# Altium PCB precursor_pvt2b.PcbDoc (part 5 of 7) (continued)
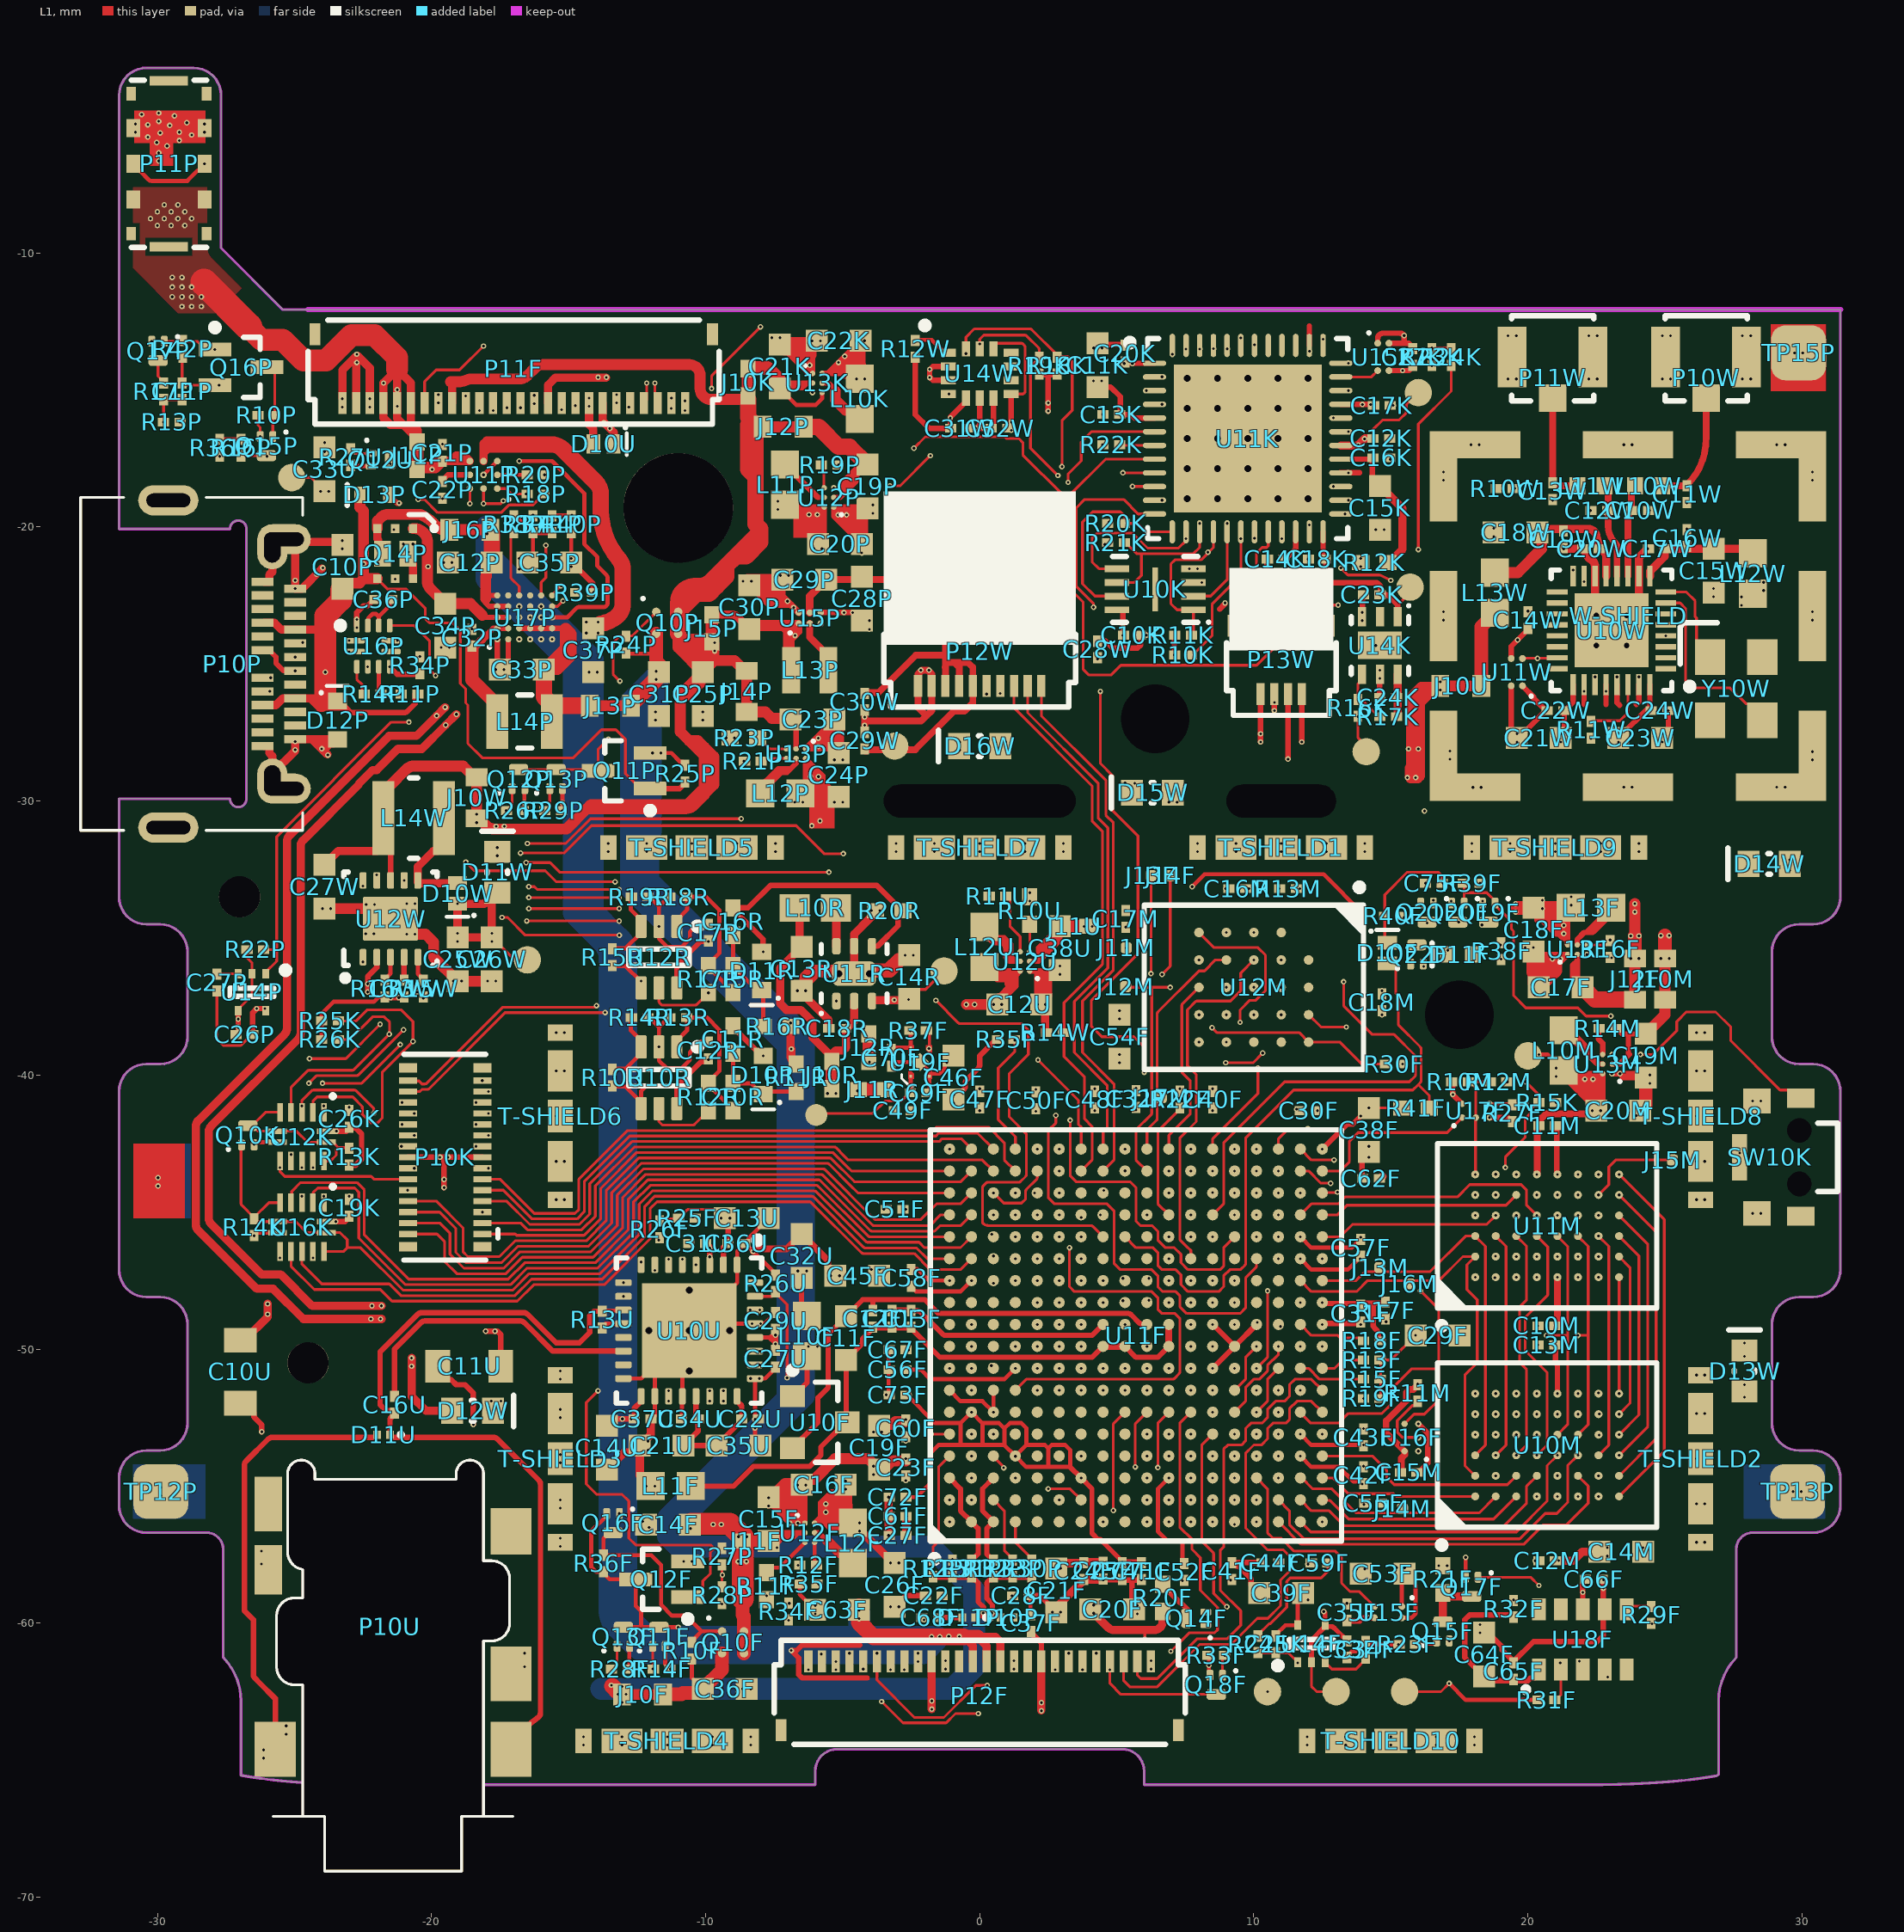
[diagram p0: L1 view]
## Nets (pads, with @x,y where several pads share a name; then routed paths per layer and width w, separated by ;. In a path a pad name is that pad's centre, name@x,y a point inside that pad or via, vN(x,y) a via of type N, cw(c..) or ccw(c..) an arc to the next point about the centre after c; other vN are vias at no path point) (continued)
PROG_B: C25K.1 P12F.21 R24F.1 SW10K.5 U11F.R8 U12M.A4 U14F.1 | length 80.9
  L1 w0.1: P12F.21@-3.75,-61.4 -3.75,-62.075 -2.384,-63.441 -1.309,-63.441 -0.143,-62.275 v1(0.275,-62.275) ; v1(10.1,-50.7) 10.5,-50.3 10.5,-47.9 10.502,-47.898 v1(10.502,-47.877) ; R24F.1@10.15,-61.08 C25K.1@10.8,-61.08 11.255,-61.08 11.475,-61.3 11.525,-61.3 11.6,-61.375 U14F.1@11.6,-61.425 ; U12M.A4@12,-37.8 12.45,-38.25 v1(13.375,-38.25) ; v1(24.107,-39.248) 24.522,-39.248 ccw(c24.522,-39.148) 24.593,-39.219 25.427,-38.385 25.427,-38.048 25.775,-37.7 26.85,-37.7 27.4,-38.25 27.4,-38.75 29.2,-40.55 29.65,-40.55 SW10K.5@29.95,-40.85
  L2 w0.1: v1(-3.75,-61.1) -3.468,-60.818 -3.043,-60.818 -2.5,-60.275 -2.5,-59.693 -2.107,-59.3 -1.616,-59.3 -1.545,-59.371 ccw(c-1.474,-59.3) -1.474,-59.4 -1.174,-59.4 ccw(c-1.174,-59.3) -1.103,-59.371 -1.052,-59.319 cw(c-0.981,-59.39) -1.043,-59.311 -1.014,-59.288 ccw(c-1.077,-59.21) -1.007,-59.282 -0.85,-59.125 -0.1,-59.125 0.675,-58.35 1.525,-58.35 2.503,-57.372 3.32,-57.372 3.9,-56.792 3.9,-56.5 3.9,-56.264 4.132,-56.032 4.132,-55.743 4.721,-55.154 ccw(c4.65,-55.084) 4.75,-55.084 4.75,-53.516 cw(c4.85,-53.516) 4.779,-53.446 5.725,-52.5 7.925,-52.5 8.175,-52.75 8.908,-52.75 9.5,-52.158 9.5,-51.3 v1(10.1,-50.7) ; v1(0.275,-62.275) 1.35,-62.275 1.825,-61.8 1.825,-60.825 2.525,-60.125 7.975,-60.125 8.238,-60.388 10.538,-60.388 v1(11.6,-61.45) ; v1(10.502,-47.877) 10.504,-47.875 12.15,-47.875 13.05,-46.975 13.05,-44.75 12.45,-44.15 12.45,-43.05 11.901,-42.501 11.901,-42.276 11.675,-42.05 11.675,-41.825 12.075,-41.425 12.075,-40.95 13.662,-39.363 13.688,-39.363 ; v1(13.375,-38.25) 13.375,-39.05 13.688,-39.363 ; v1(24.107,-39.248) 23.794,-39.248 23.625,-39.418 23.625,-40.25 23.225,-40.65 23.225,-41.4 22.775,-41.85 21.875,-41.85 21.55,-41.525 19.45,-41.525 18.025,-40.1 14.425,-40.1 13.688,-39.363
PWR_S0: R27F.1 U11F.U6 U16F.C2 U17F.C2 | length 32.6
  L1 w0.1: U11F.U6@11.7,-52.3 11.7,-52.325 12.075,-52.7 13.1,-52.7 13.45,-52.35 14.675,-52.35 15.025,-52 15.025,-51.45 15.75,-50.725 16.75,-50.725 ; U16F.C2@15.5,-52.725 15.85,-52.375 16.225,-52.375 16.75,-51.85 16.75,-50.725 ; v1(16.075,-47.875) 16.75,-48.55 16.75,-50.725 ; U17F.C2@18.6,-41.05 19.38,-41.05 R27F.1@19.425,-41.095 19.47,-41.05 v2(19.925,-41.05)
  L2 w0.1: v1(16.075,-47.875) v2(16.075,-47.275)
  L7 w0.1: v2(16.075,-47.275) 16.6,-46.75 19.884,-46.75 20.234,-47.1 23.3,-47.1 24.625,-45.775 24.625,-42.741 ccw(c24.525,-42.741) 24.595,-42.67 22.647,-40.722 21.947,-40.722 21.725,-40.5 20.475,-40.5 v2(19.925,-41.05)
  other v1: 19.925,-41.05
PWR_S0_REPLICA: R15K.2 U11F.U7 U11K.19 | length 50.6
  L1 w0.1: v1(19.175,-43.375) 19.175,-43 19.9,-42.275 19.9,-41.6 20.1,-41.4 20.1,-41.25 20.35,-41 R15K.2@20.395,-41 20.395,-40.72 v1(19.925,-40.25)
  L2 w0.1: v1(10.024,-20.411) 10.024,-21.964 10.459,-22.4 11.025,-22.4 11.174,-22.549 11.174,-24.149 13.4,-26.375 13.95,-26.375 14.67,-27.095 16.045,-27.095 16.65,-27.7 16.65,-30.175 17.675,-31.2 21.475,-31.2 22.075,-31.8 22.075,-32.673 23.421,-34.019 cw(c23.35,-34.089) 23.45,-34.089 23.45,-35.709 cw(c23.35,-35.709) 23.421,-35.779 21.7,-37.5 21.7,-40.2 21.475,-40.425 20.1,-40.425 v1(19.925,-40.25) ; v1(11.7,-51.5) 12.3,-52.1 14.234,-52.1 ccw(c14.234,-52) 14.305,-52.07 ; 14.305,-52.07 15.221,-51.154 ccw(c15.15,-51.084) 15.25,-51.084 15.25,-46.275 17.625,-43.9 17.625,-43.721 17.971,-43.375 18.225,-43.375 18.85,-44 19.025,-44 19.175,-43.85 v1(19.175,-43.375)
RES_CT: C34F.1 U14F.3 | length 1.8
  L1 w0.1: U14F.3@12.6,-61.425 12.6,-61.475 12.675,-61.55 12.725,-61.55 12.85,-61.675 13.725,-61.675 14.075,-61.325 C34F.1@14.075,-61.28
RTC_3.3V: C64F.1 C65F.1 R32F.1 U18F.1 | length 6.5
  L1 w0.2: C64F.1@18.4,-61.95 17.7,-61.25 17.7,-59.875 17.875,-59.7 19.375,-59.7 19.39,-59.715 19.415,-59.715 19.475,-59.775 R32F.1@19.475,-59.8 ; C64F.1@18.475,-61.875 18.7,-62.1 20,-62.1 20.1,-62 20.25,-62 20.4,-61.85 U18F.1@20.4,-61.7
RTC_INT1: R31F.2 U11F.N5 U18F.2 | length 21
  L1 w0.1: U11F.N5@8.5,-53.1 8.1,-53.5 8.1,-57 8.506,-57.406 cw(c8.435,-57.477) 8.535,-57.477 8.535,-58.922 v1(9.015,-59.402) ; R31F.2@21,-62.8 21.025,-62.8 21.2,-62.625 U18F.2@21.2,-61.7
  L2 w0.1: v1(9.015,-59.402) 9.702,-59.402 10.125,-59.825 11.834,-59.825 cw(c11.834,-59.925) 11.905,-59.855 12.346,-60.296 ccw(c12.416,-60.225) 12.416,-60.325 16.2,-60.325 17.296,-61.421 ccw(c17.366,-61.35) 17.366,-61.45 v1(21.175,-61.45)
RTC_WAKE_N: R29F.1 U18F.6 | length 1
  L1 w0.1: U18F.6@23.6,-59.5 23.725,-59.375 R29F.1@24.5,-59.375
SPINOR_CIPO: J17M.1 U11F.K18 U12M.D2 | length 8.4
  L1 w0.1: U11F.K18@6.1,-42.7 6.1,-42 6.446,-41.654 ccw(c6.375,-41.584) 6.475,-41.584 6.475,-37.766 cw(c6.575,-37.766) 6.504,-37.696 8,-36.2 8.2,-36.2 8.6,-35.8 U12M.D2@9,-35.8
SPINOR_COPI: J12M.1 U11F.K17 U12M.D3 | length 10.8
  L1 w0.1: J12M.1@5.325,-36.8 6.275,-36.8 ; U11F.K17@6.1,-43.5 5.7,-43.1 5.7,-42 6.246,-41.454 ccw(c6.175,-41.384) 6.275,-41.384 6.275,-36.8 ; v1(6.951,-36.803) 6.948,-36.8 6.275,-36.8
  L2 w0.1: v1(6.951,-36.803) 6.952,-36.801 8.999,-36.801 v1(9,-36.8)
SPINOR_CSN: R13M.1 U11F.M13 U12M.C2 | length 16.2
  L1 w0.1: U11F.M13@7.7,-46.7 7.7,-46.4 7.6,-46.3 7.598,-46.3 7.3,-46.002 7.3,-42.3 7.9,-41.7 7.9,-39.98 7.575,-39.655 7.575,-37.66 cw(c7.675,-37.66) 7.604,-37.59 7.865,-37.329 cw(c7.935,-37.4) 7.935,-37.3 ; 7.935,-37.3 9.15,-37.3 9.525,-36.925 9.525,-36.275 v1(10,-35.8)
  L2 w0.1: v1(10,-35.8) 10.925,-34.875 v1(10.925,-33.2)
SPINOR_DQS: U11F.R14 U12M.C3 | length 10.7
  L2 w0.1: v1(10,-36.8) 10.3,-37.1 10.3,-38.8 9.8,-39.3 9.8,-41.2 8.9,-42.1 8.9,-44.466 8.9,-44.7 8.9,-45.3 9.1,-45.5 9.7,-45.5 v1(10.1,-45.9)
SPINOR_ECSN: R30F.2 U11F.L16 U12M.A5 | length 14.5
  L1 w0.1: v1(8.475,-38.275) 8.65,-38.45 11.65,-38.45 U12M.A5@12,-38.8 13.15,-38.8 13.95,-39.6 R30F.2@14.775,-39.6
  L2 w0.1: v1(6.9,-44.3) 6.4,-43.8 6.4,-42.2 6.9,-41.7 6.9,-38.875 7.5,-38.275 v1(8.475,-38.275)
SPINOR_IO2: U11F.L14 U12M.C4 | length 11.8
  L2 w0.1: v1(6.9,-45.9) 6.9,-44.7 6.2,-44 6.2,-42.1 6.7,-41.6 6.7,-38.475 7.775,-37.4 9.6,-37.4 v1(10,-37.8)
SPINOR_IO3: U11F.M15 U12M.D4 | length 8.7
  L2 w0.1: v1(7.7,-45.1) 7.7,-44.7 6.6,-43.6 6.6,-42.5 7.7,-41.4 7.7,-39.7 8.971,-38.429 ccw(c8.9,-38.359) 9,-38.359 v1(9,-37.8)
SPINOR_IO4: U11F.L17 U12M.D5 | length 5.6
  L2 w0.1: v1(6.9,-43.5) 6.9,-42.5 7.9,-41.5 7.9,-40.1 8.4,-39.6 8.4,-39.4 v1(9,-38.8)
SPINOR_IO5: U11F.L18 U12M.E3 | length 6.6
  L1 w0.1: U11F.L18@6.9,-42.7 6.9,-42.2 7.675,-41.425 7.675,-40.202 7.404,-39.931 cw(c7.475,-39.86) 7.375,-39.86 7.375,-37.466 cw(c7.475,-37.466) 7.404,-37.396 U12M.E3@8,-36.8
SPINOR_IO6: U11F.M14 U12M.E2 | length 12.8
  L2 w0.1: v1(7.7,-45.9) 7.4,-46.2 6.825,-46.2 6.6,-45.975 6.6,-44.9 6,-44.3 6,-42 6.5,-41.5 6.5,-36.9 7.6,-35.8 v1(8,-35.8)
SPINOR_IO7: U11F.N14 U12M.E1 | length 14.3
  L1 w0.1: U12M.E1@8,-34.8 8.55,-35.35 10.15,-35.35 10.425,-35.625 10.425,-36.925 10.075,-37.275 9.85,-37.275 9.5,-37.625 v1(9.5,-38.075)
  L2 w0.1: v1(8.5,-45.9) 8.5,-45.666 8.1,-45.266 8.1,-43.666 8.1,-42.5 9.2,-41.4 9.2,-40.025 9.5,-39.725 v1(9.5,-38.075)
SPINOR_SCK: J11M.1 U11F.C8 U11F.C12 U12M.B2 | length 28.4
  L2 w0.1: v1(0.425,-50.602) 0.425,-49.473 0.419,-49.466 0.5,-49.385 ; v1(0.5,-47.602) 0.5,-49.384 ; v1(11,-35.8) 10.6,-36.2 8.9,-36.2 8.059,-35.359 v1(5.348,-35.359) 5.348,-36.077 4.65,-36.775 4.65,-41.493 4.45,-41.693 4.45,-43.734 ccw(c4.55,-43.734) 4.479,-43.804 5.049,-44.374 cw(c4.978,-44.445) 5.078,-44.445 5.078,-46.569 ccw(c5.178,-46.569) 5.108,-46.639 5.476,-47.008 5.476,-48.339 5.45,-48.365 5.45,-48.375 4.441,-49.384 0.5,-49.384
SPK+: P11F.25 U10U.22 U10U.26 | length 70.1
  L1 w0.3: v1@-21.825,-48.9 v1(-21.857,-48.9) v1(-22.21,-48.9) -24.675,-48.9 -25.775,-47.8 -26.375,-47.8 -28.512,-45.663 cw(c-28.3,-45.451) -28.6,-45.451 -28.6,-41.878 cw(c-28.3,-41.878) -28.512,-41.665 -25.363,-38.516 ccw(c-25.575,-38.304) -25.275,-38.304 -25.275,-31.478 cw(c-24.975,-31.478) -25.187,-31.265 -21.547,-27.625 -20.55,-27.625 v1(-19.812,-26.887) -19.506,-26.581 v1(-19.501,-26.581)
  L2 w0.3: v1(-22.21,-48.9) v1(-21.857,-48.9) -21.224,-48.9 cw(c-21.224,-49.2) -21.011,-48.989 -19.413,-50.587 ccw(c-19.201,-50.375) -19.201,-50.675 -16.574,-50.675 ccw(c-16.574,-50.375) -16.362,-50.587 -16.313,-50.538 cw(c-16.101,-50.75) -16.101,-50.45 -14.224,-50.45 cw(c-14.224,-50.75) -14.012,-50.538 -11.638,-52.912 ; v1(-19.812,-26.887) -19.506,-26.581 v1(-19.501,-26.581) -18.695,-25.775 -15.65,-25.775 -14.175,-24.3 -13.675,-24.3 -13.375,-24 -13.375,-21.275 -14.3,-20.35 -14.3,-17.975 -12.873,-16.548 cw(c-11.55,-17.871) -11.55,-16 ccw(c-11.55,-15.7) -11.25,-15.7 v1(-11.25,-15.675) -11.25,-15.307 v1(-11.246,-15.304) ; -11.637,-52.913 ccw(c-11.426,-52.7) -11.426,-53 -9.088,-53 ccw(c-9.088,-52.7) -8.787,-52.7 -8.788,-50.575 ; v1(-9.85,-51.9) v1(-9.85,-51.525) -9.85,-51.25 -9.175,-50.575 -8.788,-50.575 ; v1(-8.025,-50.575) v1(-8.4,-50.575) -8.788,-50.575
SPK-: P11F.26 U10U.19 U10U.23 | length 65
  L1 w0.3: v1(-21.825,-48.425) v1(-22.172,-48.425) -24.35,-48.425 -25.5,-47.275 -26.2,-47.275 -28.037,-45.438 cw(c-27.825,-45.226) -28.125,-45.226 -28.125,-42.074 cw(c-27.825,-42.074) -28.037,-41.862 -24.863,-38.688 ccw(c-25.075,-38.476) -24.775,-38.476 -24.775,-31.649 cw(c-24.475,-31.649) -24.687,-31.437 -22.65,-29.4 -22.65,-29.375 -22.15,-28.875 -22,-28.875 -21.225,-28.1 -20.353,-28.1 v1(-19.483,-27.229) -19.093,-26.84 v1(-19.088,-26.84)
  L2 w0.3: v1(-22.172,-48.425) v1(-21.825,-48.425) -20.875,-48.425 -19.163,-50.137 ; v1(-19.483,-27.229) -19.093,-26.84 v1(-19.088,-26.84) -18.473,-26.225 -14.275,-26.225 -13.575,-25.525 -13.575,-25 -12.925,-24.35 -12.925,-21.1 -13.825,-20.2 -13.825,-18.15 -12.815,-17.14 ; -19.162,-50.138 ccw(c-18.951,-49.925) -18.951,-50.225 -16.724,-50.225 ccw(c-16.724,-49.925) -16.512,-50.137 cw(c-16.301,-50.35) -16.301,-50.05 -13.724,-50.05 cw(c-13.724,-50.35) -13.512,-50.138 -12.125,-51.525 v1(-11.35,-51.525) v1(-11.35,-51.9) -10.925,-52.325 -9.6,-52.325 -9.35,-52.075 v1(-9.35,-51.9) v1(-9.35,-51.525) ; -12.814,-17.139 cw(c-11.149,-18.806) -11.149,-16.45 ccw(c-11.149,-16.15) -10.937,-16.362 -10.838,-16.263 ccw(c-11.05,-16.051) -10.75,-16.051 v1(-10.75,-15.75) v1(-10.75,-15.399)
SRAM_A0: J13M.1 U10M.A3 U11F.V12 U11M.A3 | length 14.6
  L1 w0.1: U11F.V12@12.5,-47.5 13.725,-47.5 14.05,-47.175 16.425,-47.175 17.725,-45.875 U11M.A3@18.075,-45.875 18.45,-46.25 18.45,-53.5 U10M.A3@18.075,-53.875
SRAM_A1: U10M.A4 U11F.M5 U11M.A4 | length 22.5
  L2 w0.1: v1(7.7,-53.1) 7.7,-53.125 8.075,-53.5 12.2,-53.5 12.7,-54 13.775,-54 13.95,-53.825 15.025,-53.825 15.25,-54.05 16.075,-54.05 16.3,-53.825 16.3,-53.583 16.192,-53.475 15.794,-53.475 15.504,-53.185 cw(c15.575,-53.114) 15.475,-53.115 15.475,-52.6 15.75,-52.325 16.75,-52.325 17.55,-53.125 v1(18.075,-53.125) 18.349,-52.851 18.349,-48.301 18.475,-48.175 18.475,-47.325 17.925,-46.775 17.925,-45.275 v1(18.075,-45.125)
SRAM_A2: U10M.A5 U11F.P5 U11M.A5 | length 17.2
  L2 w0.1: v1(9.3,-53.1) 9.7,-52.7 13.7,-52.7 14.063,-52.337 14.788,-52.337 15.15,-51.975 16.375,-51.975 16.575,-51.775 17.475,-51.775 ; v1(18.075,-44.375) 17.475,-44.975 17.475,-51.775 ; v1(18.084,-52.374) 18.074,-52.374 17.475,-51.775
SRAM_A3: U10M.B3 U11F.N4 U11M.B3 | length 19.8
  L1 w0.1: v1(18.825,-53.875) 19.2,-53.5 19.2,-46.25 U11M.B3@18.825,-45.875
  L2 w0.1: v1(8.5,-53.9) 8.65,-53.9 9.05,-54.3 9.875,-54.3 10.9,-55.325 13.1,-55.325 13.6,-55.325 13.725,-55.2 14.275,-55.2 14.5,-54.975 15.758,-54.975 16.358,-54.375 17.975,-54.375 18.475,-53.875 v1(18.825,-53.875)
SRAM_A4: U10M.B4 U11F.V14 U11M.B4 | length 15.5
  L1 w0.1: U11F.V14@12.5,-45.9 13.15,-45.9 13.6,-45.45 18.5,-45.45 v1(18.825,-45.125)
  L2 w0.1: v1(18.825,-53.125) 18.56,-52.86 18.56,-52.265 19.09,-51.735 19.09,-51.515 18.975,-51.4 18.975,-50.841 19.35,-50.466 19.35,-48.534 18.975,-48.159 18.975,-47.585 19.086,-47.474 19.086,-46.489 18.875,-46.278 18.875,-45.475 18.825,-45.425 v1(18.825,-45.125)
SRAM_A5: U10M.C3 U11F.M3 U11M.C3 | length 22.9
  L1 w0.1: v1(19.575,-53.875) 19.95,-53.5 19.95,-50.75 19.7,-50.5 19.7,-48.45 19.95,-48.2 19.95,-46.25 U11M.C3@19.575,-45.875
  L2 w0.1: v1(7.7,-54.7) 8.1,-55.1 8.5,-55.1 8.775,-55.375 8.775,-55.625 9.075,-55.925 9.5,-55.925 9.835,-55.59 9.835,-55.39 9.99,-55.235 10.186,-55.235 cw(c10.186,-55.335) 10.257,-55.265 10.738,-55.746 ccw(c10.809,-55.675) 10.809,-55.775 12.875,-55.775 13.475,-56.375 14.924,-56.375 16.524,-54.775 18.275,-54.775 18.66,-54.39 cw(c18.73,-54.461) 18.73,-54.361 18.795,-54.361 ccw(c18.795,-54.261) 18.803,-54.361 cw(c18.825,-54.625) 18.847,-54.361 ccw(c18.855,-54.261) 18.855,-54.361 19.047,-54.361 ccw(c19.047,-54.261) 19.118,-54.332 v1(19.575,-53.875)
SRAM_A6: U10M.C4 U11F.R17 U11M.C4 | length 19.6
  L2 w0.1: v1(19.575,-53.125) 19.814,-52.886 ccw(c19.743,-52.815) 19.843,-52.815 19.843,-51.823 cw(c19.943,-51.823) 19.873,-51.752 20,-51.625 20,-50.8 19.825,-50.625 19.825,-48.35 20,-48.175 20,-47.4 19.875,-47.275 19.875,-46.442 20.025,-46.292 20.025,-45.575 v1(19.575,-45.125) v2(19.575,-44.375)
  L7 w0.1: v2(10.1,-43.5) 10.208,-43.5 10.408,-43.3 10.525,-43.3 10.75,-43.075 11.575,-43.075 12.75,-44.25 13.925,-44.25 14.05,-44.375 v2(19.575,-44.375)
  other v1: 10.1,-43.5
SRAM_A7: U10M.D4 U11F.U15 U11M.D4 | length 19
  L1 w0.1: U11F.U15@11.7,-45.1 12.1,-44.7 13.075,-44.7 13.325,-44.45 17.425,-44.45 17.875,-44 19.75,-44 19.95,-44.2 19.95,-44.75 v1(20.325,-45.125)
  L2 w0.1: v1(20.325,-53.125) 20.084,-52.884 cw(c20.154,-52.813) 20.054,-52.813 20.054,-52.237 cw(c20.154,-52.237) 20.084,-52.166 20.25,-52 20.4,-52 20.65,-51.75 20.65,-50.85 21.15,-50.35 21.15,-48.834 20.65,-48.334 20.65,-47.2 20.775,-47.075 20.775,-46.425 20.325,-45.975 v1(20.325,-45.125)
SRAM_A8: U10M.H5 U11F.M4 U11M.H2 | length 42
  L1 w0.1: v1(23.325,-52.375) 23.725,-51.975 23.725,-47.025 U11M.H2@23.325,-46.625
  L2 w0.1: v1(23.325,-52.375) 23.6,-52.375 v2(23.9,-52.675)
  L7 w0.1: v2(7.7,-53.9) 7.7,-53.334 6.866,-52.5 5.851,-52.5 5,-53.351 5,-57.029 cw(c4.9,-57.029) 4.971,-57.1 4.404,-57.666 ccw(c4.475,-57.737) 4.375,-57.737 4.375,-57.8 4.075,-58.1 4.075,-58.675 4.456,-59.056 4.926,-59.526 4.926,-59.751 5.4,-60.225 13.234,-60.225 cw(c13.234,-60.325) 13.304,-60.254 13.45,-60.4 14.575,-60.4 15,-59.975 17.191,-59.975 17.811,-59.356 19.062,-59.356 20.264,-58.154 cw(c20.334,-58.225) 20.334,-58.125 21.259,-58.125 ccw(c21.259,-58.025) 21.329,-58.096 23.9,-55.525 v2(23.9,-52.675)
  other v1: 7.7,-53.9
SRAM_A9: U10M.H4 U11F.L6 U11M.H3 | length 31.6
  L1 w0.1: v1(6.5,-54.325) 6.5,-52.7 U11F.L6@6.9,-52.3 ; v1(23.325,-53.125) 24.05,-52.4 24.05,-46.6 U11M.H3@23.325,-45.875
  L2 w0.1: v1(6.5,-54.325) 6.519,-54.306 6.728,-54.306 6.759,-54.275 7.05,-54.275 7.3,-54.525 7.3,-55.775 7.5,-55.975 7.825,-55.975 8.075,-56.225 8.075,-56.441 9.134,-57.5 9.625,-57.5 9.825,-57.3 14.95,-57.3 16.8,-55.45 19.175,-55.45 19.85,-54.775 20.675,-54.775 20.79,-54.89 22.685,-54.89 23,-54.575 23,-53.45 v1(23.325,-53.125)
SRAM_A10: U10M.H3 U11F.K3 U11M.H4 | length 31.2
  L1 w0.1: v1(23.325,-53.875) 24.375,-52.825 24.375,-46.175 U11M.H4@23.325,-45.125
  L2 w0.1: v1(6.1,-54.7) 6.5,-55.1 6.5,-56.775 7.35,-57.625 8.225,-57.625 8.3,-57.7 9.75,-57.7 9.95,-57.5 15.1,-57.5 16.9,-55.7 19.275,-55.7 20,-54.975 20.525,-54.975 20.65,-55.1 22.875,-55.1 23.325,-54.65 v1(23.325,-53.875)
SRAM_A11: U10M.H2 U11F.R18 U11M.H5 | length 26.9
  L1 w0.1: U10M.H2@23.325,-54.625 24.675,-53.275 24.675,-45.725 v1(23.325,-44.375)
  L2 w0.1: v1(23.325,-44.375) v2(23.825,-44.375)
  L7 w0.1: v2(10.1,-42.7) 10.9,-41.9 13.6,-41.9 14.775,-43.075 17.2,-43.075 17.675,-43.55 22.316,-43.55 23.141,-44.375 v2(23.825,-44.375)
  other v1: 10.1,-42.7
SRAM_A12: U10M.G3 U11F.U16 U11M.G3 | length 19.8
  L1 w0.1: U10M.G3@22.575,-53.875 22.95,-53.5 22.95,-46.25 v1(22.575,-45.875)
  L7 w0.1: v2(11.7,-44.3) 12.15,-44.3 12.525,-44.675 14.175,-44.675 14.5,-45 20.975,-45 21.85,-45.875 v1(22.575,-45.875)
  other v1: 11.7,-44.3
  other v2: 22.575,-45.875
SRAM_A13: U10M.G2 U11F.K1 U11M.G4 | length 30.1
  L2 w0.1: v2(6.1,-57.1) v1(6.1,-56.3) ; v1(22.575,-54.625) v2(22.575,-54.05) 22.575,-53.592 22.862,-53.305 22.862,-53.024 22.338,-52.5 22.338,-52.254 22.516,-52.075 22.761,-52.075 23.021,-51.816 ccw(c22.95,-51.745) 23.05,-51.745 23.05,-51.54 cw(c23.15,-51.54) 23.079,-51.469 23.175,-51.374 23.175,-47.15 22.875,-46.85 22.875,-46.3 23.063,-46.112 23.063,-45.612 v1(22.575,-45.125)
  L7 w0.1: v2(6.1,-57.1) 7.113,-57.1 7.462,-57.45 8.475,-57.45 8.525,-57.5 9.5,-57.5 9.9,-57.1 15.225,-57.1 15.7,-56.625 20.925,-56.625 22.575,-54.975 v2(22.575,-54.05)
SRAM_A14: U10M.F4 U11F.R5 U11M.F3 | length 23.6
  L1 w0.1: U10M.F4@21.825,-53.125 22.2,-52.75 22.2,-49.5 ; v2(21.825,-49.5) 22.2,-49.5 ; U11M.F3@21.825,-45.875 22.2,-46.25 22.2,-49.5
  L7 w0.1: v2(10.1,-53.1) 10.1,-52.325 10.525,-51.9 11.725,-51.9 12.775,-50.85 13.475,-50.85 15.688,-48.637 16.288,-48.637 17.675,-47.25 19.799,-47.25 20.675,-48.126 20.675,-48.35 v2(21.825,-49.5)
  other v1: 10.1,-53.1 21.825,-49.5
SRAM_A15: U10M.F3 U11F.T2 U11M.F4 | length 23.5
  L1 w0.1: U11F.T2@10.9,-55.5 11.3,-55.9 11.3,-56.402 11.823,-56.925 19.7,-56.925 20.625,-56 21.05,-56 21.45,-55.6 21.45,-54.25 v1(21.825,-53.875)
  L2 w0.1: v1(21.825,-53.875) 21.375,-53.425 21.375,-52.736 21.475,-52.636 21.475,-52.392 cw(c21.575,-52.392) 21.504,-52.321 22.071,-51.754 ccw(c22,-51.684) 22.1,-51.684 22.1,-50.875 22.225,-50.75 22.225,-48.3 22.1,-48.175 22.1,-47.25 22.275,-47.075 22.275,-46.509 21.825,-46.059 v1(21.825,-45.125)
SRAM_A16: U10M.E3 U11F.U1 U11M.E4 | length 21.3
  L1 w0.1: U11F.U1@11.7,-56.3 12.075,-56.675 19.575,-56.675 20.7,-55.55 20.7,-54.25 v1(21.075,-53.875)
  L2 w0.1: v1(21.075,-53.875) 21.075,-53.025 20.625,-52.575 20.625,-52.259 20.959,-51.925 21.2,-51.925 21.5,-51.625 21.5,-50.825 21.35,-50.675 21.35,-48.35 21.525,-48.175 21.525,-47.45 21.375,-47.3 21.375,-46.462 21.5,-46.337 21.5,-45.8 21.075,-45.375 v1(21.075,-45.125)
SRAM_A17: U10M.D3 U11F.N1 U11M.D3 | length 21.8
  L1 w0.1: v1(20.325,-53.875) 20.7,-53.5 20.7,-50.85 19.9,-50.05 19.9,-48.85 20.725,-48.025 20.725,-46.275 U11M.D3@20.325,-45.875
  L7 w0.1: v2(8.5,-56.3) 9.425,-56.3 9.85,-55.875 12.025,-55.875 12.55,-55.35 13.975,-55.35 14.6,-54.725 19.475,-54.725 v1(20.325,-53.875)
  other v1: 8.5,-56.3
  other v2: 20.325,-53.875
SRAM_A18: U10M.H6 U11F.L5 U11M.H1 | length 38
  L1 w0.1: v1(23.325,-51.625) U11M.H1@23.325,-47.375
  L2 w0.1: v1(23.325,-51.625) v2(23.825,-51.625)
  L7 w0.1: v1(6.9,-53.1) 6.5,-52.7 5.934,-52.7 5.2,-53.434 5.2,-57.13 cw(c5.1,-57.13) 5.171,-57.201 4.679,-57.692 ccw(c4.75,-57.763) 4.65,-57.763 4.65,-57.975 4.9,-58.225 4.9,-59.083 5.2,-59.383 5.2,-59.675 5.475,-59.95 7.075,-59.95 7.15,-60.025 11.343,-60.025 13.234,-60.025 ccw(c13.234,-59.925) 13.304,-59.996 14.025,-59.275 17.425,-59.275 17.641,-59.059 18.274,-59.059 20.047,-57.285 21.816,-57.285 ccw(c21.816,-57.185) 21.886,-57.256 23.5,-55.642 23.5,-52.442 23.825,-52.117 v2(23.825,-51.625)
  other v2: 6.9,-53.1
SRAM_A19: U10M.G4 U11F.K2 U11M.G2 | length 33.7
  L2 w0.1: v1(22.575,-46.625) 22.575,-47 22.975,-47.4 22.975,-48.25 22.7,-48.525 v2(22.7,-49.55) 22.7,-50.3 22.975,-50.575 22.975,-51.291 22.879,-51.386 ccw(c22.95,-51.457) 22.85,-51.457 22.85,-51.662 cw(c22.75,-51.662) 22.821,-51.733 22.679,-51.875 22.425,-51.875 22.125,-52.175 22.125,-52.604 22.597,-53.076 v1(22.597,-53.134)
  L7 w0.1: v2(6.1,-55.5) 5.7,-55.9 5.7,-57.266 5.934,-57.5 7.15,-57.5 7.3,-57.65 8.091,-57.65 8.141,-57.7 9.6,-57.7 10,-57.3 15.425,-57.3 15.9,-56.825 21.125,-56.825 23,-54.95 23,-49.85 v2(22.7,-49.55)
  other v1: 6.1,-55.5
SRAM_A20: U10M.H1 U11F.M18 U11M.H6 | length 31.3
  L1 w0.1: U10M.H1@23.325,-55.375 24.975,-53.725 24.975,-45.275 v1(23.325,-43.625)
  L2 w0.1: v1(23.325,-43.625) v2(23.325,-43.125)
  L7 w0.1: v2(7.7,-42.7) 8.525,-42.7 10.375,-40.85 13.375,-40.85 15,-42.475 20.459,-42.475 20.909,-42.025 21.45,-42.025 22.55,-43.125 v2(23.325,-43.125)
  other v1: 7.7,-42.7
SRAM_A21: U10M.E4 U11F.T6 U11M.E3 | length 21.9
  L1 w0.1: v2(20.675,-49.5) 21.45,-49.5 ; U10M.E4@21.075,-53.125 21.45,-52.75 21.45,-49.5 ; U11M.E3@21.075,-45.875 21.45,-46.25 21.45,-49.5
  L7 w0.1: v2(10.9,-52.3) 11.338,-52.3 11.513,-52.125 11.95,-52.125 12.175,-51.9 13.308,-51.9 13.804,-51.404 13.804,-50.946 15.8,-48.95 16.425,-48.95 17.9,-47.475 19.741,-47.475 19.941,-47.675 19.975,-47.709 19.975,-48.233 19.925,-48.283 19.925,-48.75 v2(20.675,-49.5)
  other v1: 10.9,-52.3 20.675,-49.5
SRAM_CE_N: U11F.V5 U16F.A1 | length 3.8
  L2 w0.1: v1(12.5,-53.1) 13.75,-53.1 13.875,-53.225 14.2,-53.225 14.275,-53.3 15.125,-53.3 15.55,-53.725 v1(16,-53.725)
SRAM_CE_N_1.8: R11M.2 U10M.B5 U11M.B5 U16F.B1 | length 15.3
  L1 w0.1: R11M.2@15.975,-51.925 15.975,-51.965 15.88,-52.06 15.779,-52.06 15.235,-52.604 15.235,-53.035 15.425,-53.225 v1(16,-53.225)
  L2 w0.1: v1(16,-53.225) 17,-53.225 17.149,-53.374 ccw(c17.219,-53.303) 17.219,-53.403 18.873,-53.403 ccw(c18.873,-53.303) 18.943,-53.374 18.964,-53.353 cw(c19.035,-53.423) 18.978,-53.342 ccw(c18.825,-53.125) 19.042,-53.278 cw(c19.123,-53.335) 19.052,-53.265 19.1,-53.217 19.1,-52.65 v1(18.825,-52.375) 18.825,-52.348 19.3,-51.873 19.3,-51.416 19.175,-51.291 19.175,-50.925 19.575,-50.525 19.575,-48.441 19.175,-48.041 19.175,-47.668 19.286,-47.557 19.286,-46.406 19.15,-46.27 19.15,-44.927 18.825,-44.602 v1(18.825,-44.375)
SRAM_D0: U10M.B6 U11F.M2 | length 15.1
  L2 w0.1: v1(18.825,-51.625) 18.825,-51.621 18.65,-51.446 18.65,-50.7 18.825,-50.525 v2(18.825,-50.425)
  L7 w0.1: v2(7.7,-55.5) 8.1,-55.1 11.631,-55.1 12.731,-54 13.6,-54 14.275,-53.325 16.85,-53.325 18.825,-51.35 v2(18.825,-50.425)
  other v1: 7.7,-55.5
SRAM_D1: U10M.C5 U11F.R4 | length 11.1
  L2 w0.1: v1(10.1,-53.9) 10.1,-53.925 10.475,-54.3 12.875,-54.3 13.1,-54.525 13.954,-54.525 14.129,-54.7 15.75,-54.7 16.275,-54.175 17.85,-54.175 18.393,-53.632 ; 18.393,-53.632 cw(c18.463,-53.704) 18.463,-53.604 18.873,-53.603 ccw(c18.873,-53.303) 19.071,-53.528 19.133,-53.474 ccw(c18.825,-53.125) 19.164,-53.443 19.271,-53.329 cw(c19.344,-53.398) 19.272,-53.328 ccw(c19.201,-53.257) 19.301,-53.257 19.301,-52.69 cw(c19.401,-52.69) 19.331,-52.619 v1(19.575,-52.375)
SRAM_D2: U10M.C6 U11F.P2 | length 13.2
  L2 w0.1: v1(19.575,-51.625) v2(19.575,-51.125)
  L7 w0.1: v2(9.3,-55.5) 9.316,-55.484 9.634,-55.484 9.792,-55.325 11.75,-55.325 12.825,-54.25 13.675,-54.25 14.325,-53.6 18.125,-53.6 19.575,-52.15 v2(19.575,-51.125)
  other v1: 9.3,-55.5
SRAM_D3: U10M.D5 U11F.L4 | length 16.7
  L2 w0.1: v1(6.9,-53.9) 6.919,-53.919 7.044,-53.919 7.425,-54.3 8.7,-54.3 8.9,-54.5 8.9,-54.925 9.075,-55.1 9.6,-55.1 9.7,-55 10.275,-55 10.8,-55.525 13.787,-55.525 13.912,-55.4 14.4,-55.4 14.6,-55.2 15.816,-55.2 16.324,-54.692 16.441,-54.575 18.125,-54.575 18.518,-54.182 cw(c18.588,-54.253) 18.588,-54.153 18.859,-54.153 ccw(c18.859,-54.001) 18.966,-54.109 ; 18.967,-54.108 19.595,-53.48 cw(c19.667,-53.55) 19.666,-53.45 20.475,-53.45 20.625,-53.3 20.625,-52.975 20.325,-52.675 v1(20.325,-52.375)
SRAM_D4: U10M.E5 U11F.L1 | length 15.9
  L7 w0.1: v2(6.9,-56.3) 7.934,-56.3 8.334,-55.9 8.7,-55.9 8.825,-56.025 9.375,-56.025 9.825,-55.575 11.875,-55.575 12.95,-54.5 13.725,-54.5 14.375,-53.85 19.6,-53.85 v1(21.075,-52.375)
  other v1: 6.9,-56.3
  other v2: 21.075,-52.375
SRAM_D5: U10M.F5 U11F.M1 | length 17.6
  L2 w0.1: v2@7.7,-57.1 v1(7.7,-56.3) ; v2(21.825,-52.875) v1(21.825,-52.375)
  L7 w0.1: v2(7.7,-57.028) 7.822,-57.028 8.15,-56.7 11.925,-56.7 12.525,-56.1 13.259,-56.1 13.534,-56.375 15.167,-56.375 15.467,-56.075 19.05,-56.075 21.825,-53.3 v2(21.825,-52.875)
SRAM_D6: U10M.F6 U11F.R1 | length 16.9
  L2 w0.1: v1(21.825,-51.625) v2(21.825,-50.425)
  L7 w0.1: v2(10.1,-56.3) 11.975,-56.3 12.7,-55.575 14.15,-55.575 14.75,-54.975 19.825,-54.975 21.05,-53.75 21.05,-53.025 21.825,-52.25 v2(21.825,-50.425)
  other v1: 10.1,-56.3
SRAM_D7: U10M.G6 U11F.P1 | length 18.7
  L2 w0.1: v2(9.3,-57.1) v1(9.3,-56.4) ; v1@22.575,-51.625 v2(22.575,-51.125)
  L7 w0.1: v2(9.3,-57.1) 9.6,-57.1 9.8,-56.9 12.05,-56.9 12.65,-56.3 13.102,-56.3 13.377,-56.575 15.272,-56.575 15.472,-56.375 19.9,-56.375 22.15,-54.125 22.15,-53.675 22.575,-53.25 v2(22.575,-51.125)
  other v1: 22.571,-51.595
SRAM_D8: J14M.1 U10M.B1 U11F.U3 | length 7.9
  L1 w0.1: U11F.U3@11.7,-54.7 11.75,-54.7 12.15,-55.1 12.85,-55.1 13.725,-55.975 18.225,-55.975 U10M.B1@18.825,-55.375
SRAM_D9: U10M.C1 U11F.V2 | length 7.7
  L1 w0.1: U11F.V2@12.5,-55.5 12.525,-55.525 12.78,-55.525 13.455,-56.2 18.75,-56.2 U10M.C1@19.575,-55.375
SRAM_D10: U10M.C2 U11F.V4 | length 7.8
  L1 w0.1: U11F.V4@12.5,-53.9 14.325,-53.9 14.85,-54.425 14.85,-54.675 15.125,-54.95 19.25,-54.95 U10M.C2@19.575,-54.625
SRAM_D11: U10M.D2 U11F.U2 | length 10.1
  L1 w0.1: U11F.U2@11.7,-55.5 12.1,-55.9 12.75,-55.9 13.3,-56.45 19.125,-56.45 19.95,-55.625 19.95,-55 U10M.D2@20.325,-54.625
SRAM_D12: U10M.E2 U11F.N2 | length 14.7
  L2 w0.1: v1(8.5,-55.5) 8.516,-55.516 8.516,-55.75 8.916,-56.15 9.197,-56.15 ccw(c9.196,-56.05) 9.225,-56.146 cw(c9.3,-56.4) 9.375,-56.146 ccw(c9.404,-56.05) 9.404,-56.15 9.509,-56.15 cw(c9.509,-56.25) 9.58,-56.18 9.595,-56.195 cw(c9.525,-56.266) 9.625,-56.266 9.625,-56.584 ccw(c9.725,-56.584) 9.654,-56.654 10.1,-57.1 14.775,-57.1 16.65,-55.225 18.875,-55.225 19.525,-54.575 21.03,-54.575 v1(21.075,-54.621)
SRAM_D13: U10M.F2 U11F.T1 | length 13.4
  L1 w0.1: U11F.T1@10.9,-56.3 11.725,-57.125 19.85,-57.125 20.55,-56.425 21.4,-56.425 22.2,-55.625 22.2,-55 U10M.F2@21.825,-54.625
SRAM_D14: U10M.F1 U11F.K6 | length 24.2
  L1 w0.1: v1(5.675,-54.3) 5.675,-52.725 U11F.K6@6.1,-52.3
  L2 w0.1: v1(5.675,-54.3) 5.2,-54.775 5.2,-57 7.067,-58.867 9.289,-58.867 ccw(c9.289,-58.767) 9.36,-58.838 9.705,-58.493 cw(c9.776,-58.564) 9.776,-58.464 15.595,-58.464 ccw(c15.595,-58.364) 15.666,-58.434 17.675,-56.425 21.35,-56.425 21.825,-55.95 v1(21.825,-55.375)
SRAM_D15: U10M.G1 U11F.J6 | length 25.9
  L1 w0.1: v1(4.874,-55.888) 4.874,-52.726 U11F.J6@5.3,-52.3
  L2 w0.1: v1(4.874,-55.888) 4.874,-56.274 4.939,-56.339 cw(c4.869,-56.41) 4.969,-56.41 4.969,-57.115 cw(c4.869,-57.115) 4.939,-57.186 4.75,-57.375 4.75,-57.95 5.868,-59.068 9.4,-59.068 ccw(c9.4,-58.968) 9.471,-59.039 9.768,-58.742 cw(c9.839,-58.813) 9.839,-58.713 17.221,-58.713 ccw(c17.221,-58.613) 17.292,-58.683 19.245,-56.73 cw(c19.316,-56.8) 19.316,-56.7 21.5,-56.7 22.575,-55.625 v1(22.575,-55.375)
SRAM_D16: U11F.V16 U11M.B6 | length 7.3
  L1 w0.1: U11F.V16@12.5,-44.3 12.512,-44.287 13.038,-44.287 v1(13.05,-44.275)
  L2 w0.1: v1(13.05,-44.275) 13.375,-44.6 16.464,-44.6 17.914,-43.15 18.35,-43.15 18.823,-43.623 v1(18.827,-43.623)
SRAM_D17: U11F.V15 U11M.C5 | length 7.4
  L1 w0.1: U11F.V15@12.5,-45.1 13.05,-45.1 13.4,-44.75 19.2,-44.75 U11M.C5@19.575,-44.375
SRAM_D18: U11F.U17 U11M.C6 | length 9.3
  L1 w0.1: U11F.U17@11.7,-43.5 11.998,-43.5 12.443,-43.945 12.795,-43.945 v1(12.8,-43.95)
  L2 w0.1: v1(12.8,-43.95) 13.275,-43.95 13.725,-44.4 16.381,-44.4 17.831,-42.95 19.134,-42.95 cw(c19.134,-43.05) 19.205,-42.98 19.546,-43.321 cw(c19.475,-43.391) 19.575,-43.391 ; v1(19.575,-43.625) 19.575,-43.391